# Allegro board mini_trx_layout.brd (continued)
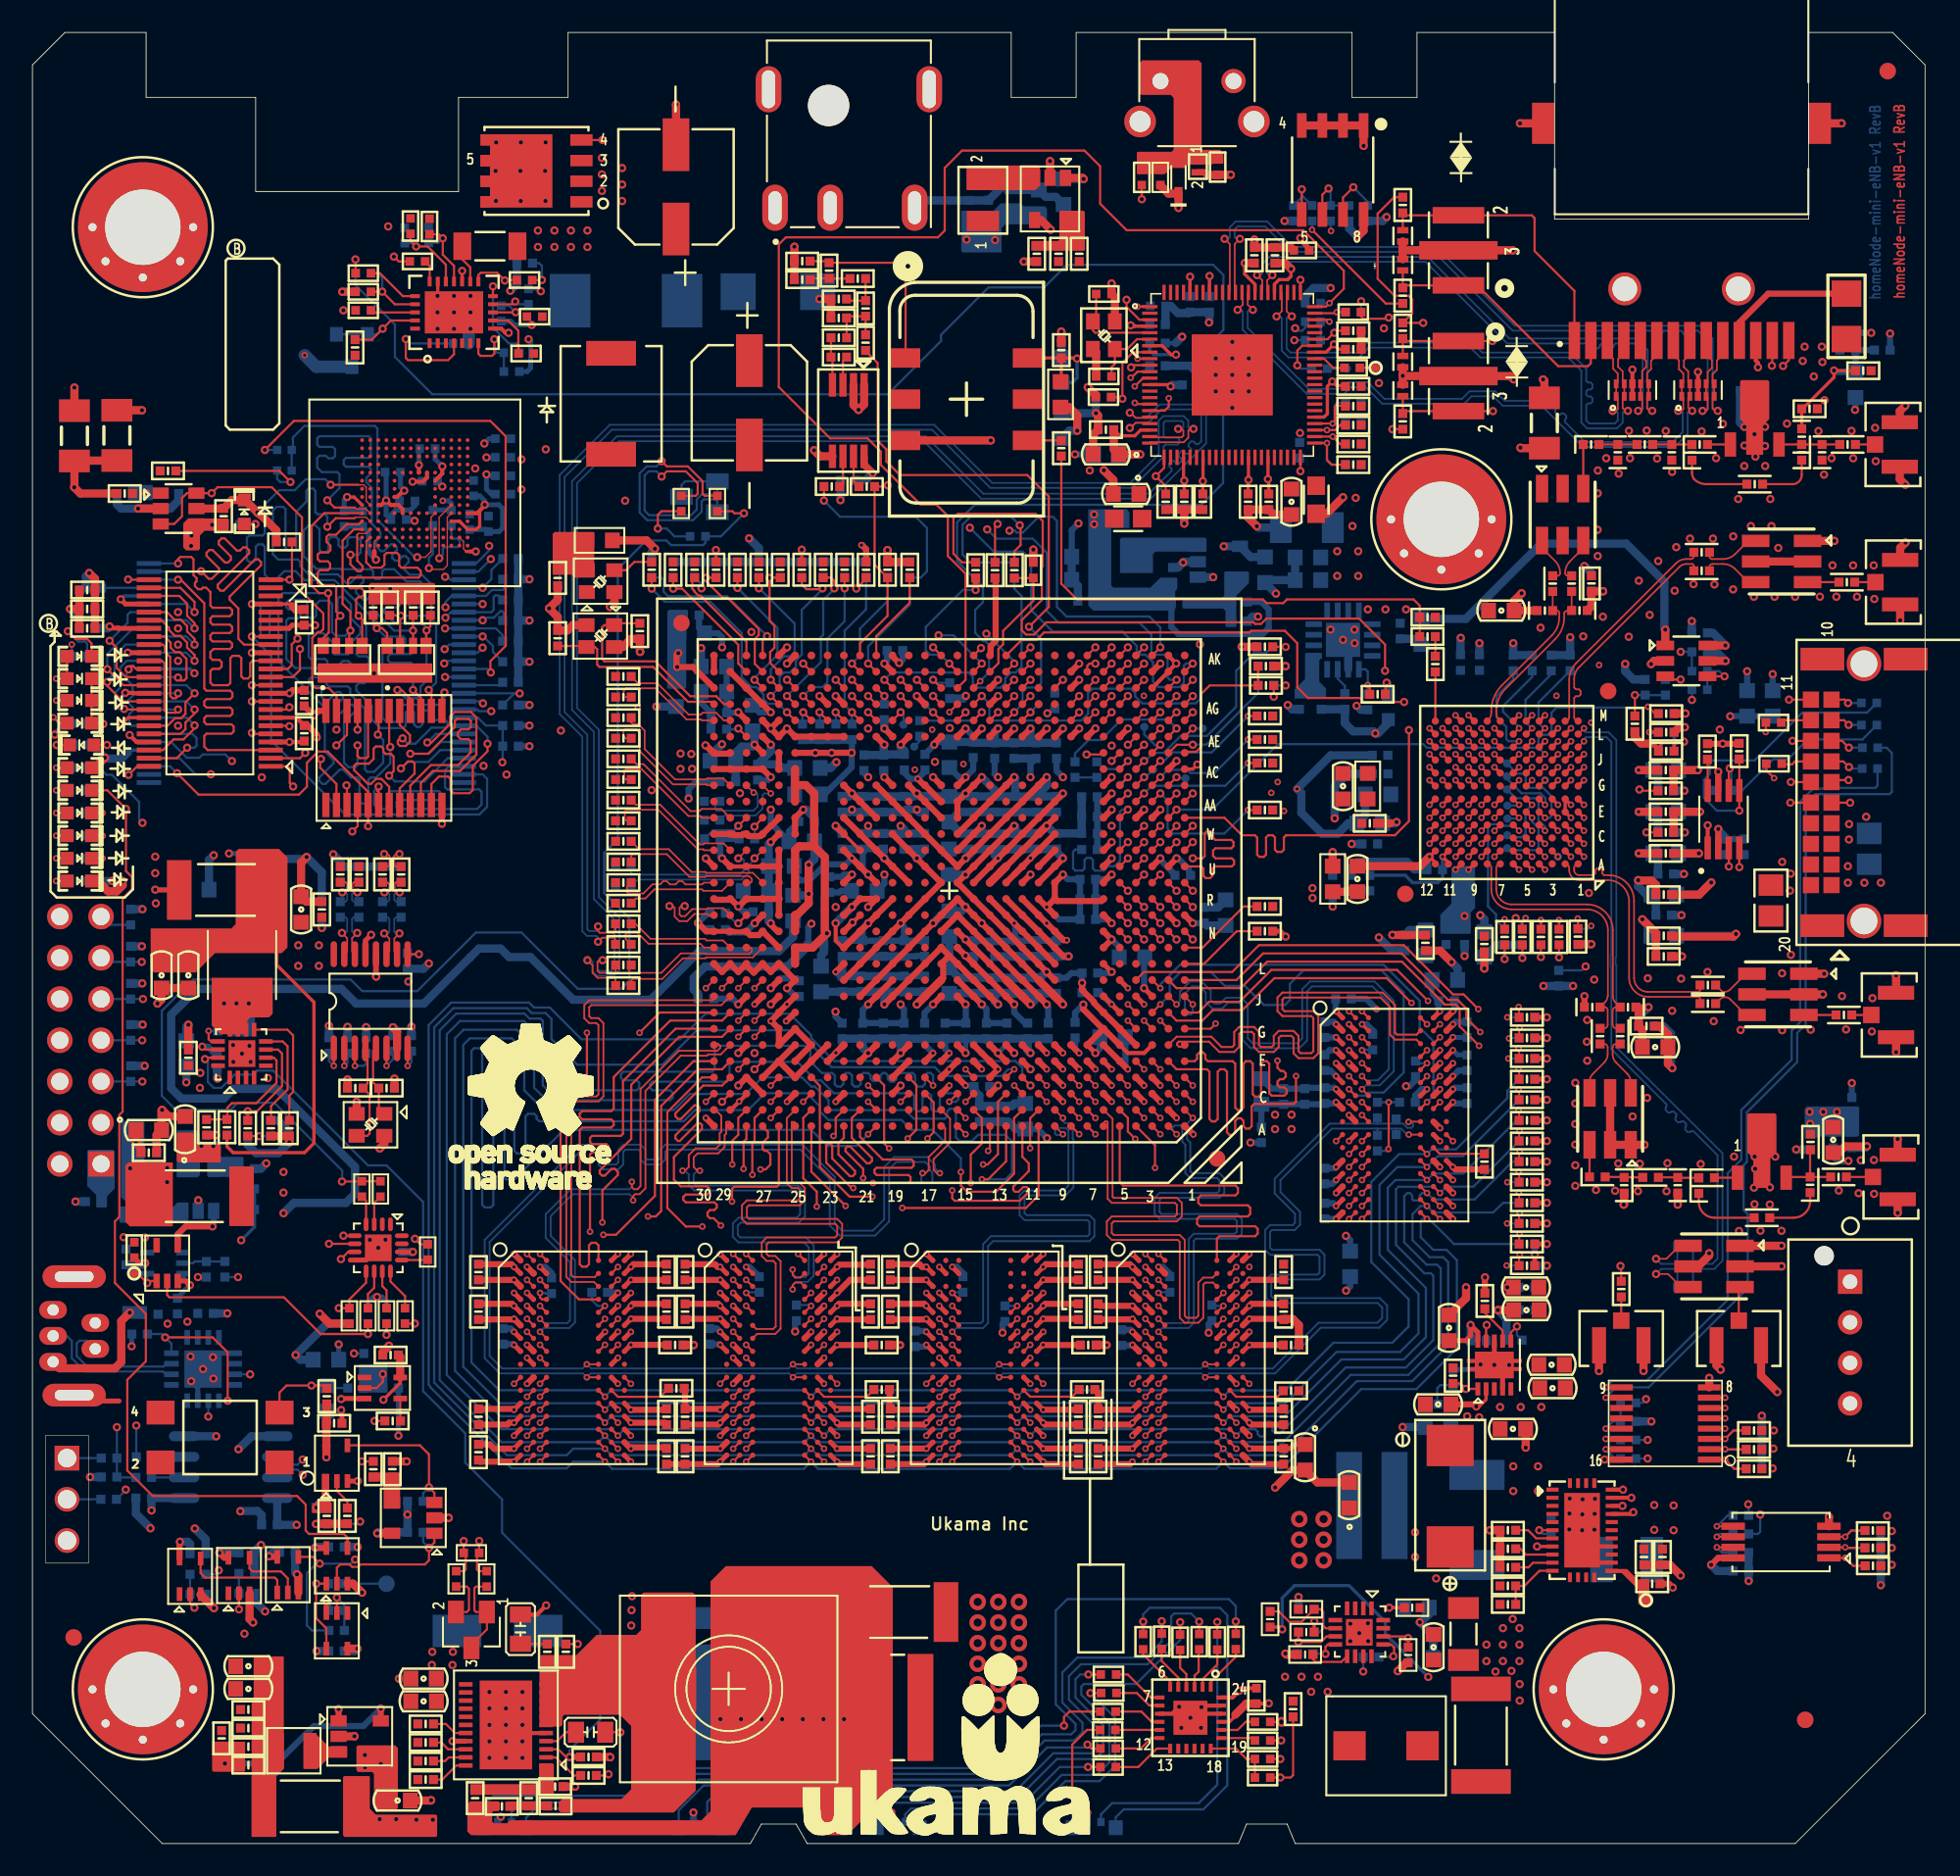
[diagram p0: board, top side]
## Placement (name value [footprint] x y rotation side) (continued)
C401  0.1uF  [EIA-0402]  82.39 62.87 180 top
C402  0.1uF  [EIA-0402]  79.63 50.15 90 bottom
C403  0.1uF  [EIA-0402]  79.63 48.12 90 bottom
C404  0.1uF  [EIA-0402]  79.63 46.09 90 bottom
C405  0.1uF  [EIA-0402]  79.63 41.13 90 bottom
C406  0.1uF  [EIA-0402]  79.63 38.97 270 bottom
C407  0.1uF  [EIA-0402]  83.03 67.06 180 bottom
C408  0.1uF  [EIA-0402]  80.77 52.06 0 bottom
C409  1000pF  [EIA-0402]  96.05 77.65 270 bottom
C410  10uF  [EIA-0603]  81.18 35.72 270 bottom
C411  22uF/10V  [EIA-0603]  78.58 79.25 180 bottom
C412  10uF  [EIA-0603]  85.82 55.5 270 bottom
C413  0.1uF  [EIA-0402]  85.82 55.5 270 top
C414  10uF  [EIA-0603]  89.45 55.41 270 bottom
C415  0.1uF  [EIA-0402]  87.09 55.88 270 bottom
C416  1000pF  [EIA-0402]  96.05 77.65 270 top
C417  22uF/10V  [EIA-0603]  78.58 77.85 180 bottom
C418  0.1uF  [EIA-0402]  87.98 72.77 90 bottom
C419  3.3pF  [EIA-0402]  84.02 44.17 270 bottom
C420  0.1uF  [EIA-0402]  84.26 74.72 270 bottom
C421  10uF  [EIA-0603]  85.57 74.68 270 bottom
C422  33pF  [EIA-0402]  94.83 77.64 270 top
C423  0.1uF  [EIA-0402]  84.71 45.68 0 bottom
C424  0.1uF  [EIA-0402]  89.45 55.43 270 top
C425  33pF  [EIA-0402]  97.82 49.75 90 top
C426  33pF  [EIA-0402]  93.66 77.64 270 top
C427  33pF  [EIA-0402]  96.58 49.75 90 top
C428  0.1uF  [EIA-0402]  87.12 51.93 0 bottom
C429  0.1uF  [EIA-0402]  100.63 63.58 0 top
C430  10uF  [EIA-0603]  100.63 63.58 0 bottom
C431  0.1uF  [EIA-0402]  88.39 50.15 90 bottom
C432  0.1uF  [EIA-0402]  88.39 48.12 270 bottom
C433  0.1uF  [EIA-0402]  88.39 46.09 90 bottom
C434  0.1uF  [EIA-0402]  100.63 66.14 0 top
C435  0.1uF  [EIA-0402]  100.5 58.47 0 top
C436  10nF  [EIA-0402]  80.85 70.37 90 bottom
C437  10uF  [EIA-0603]  63.39 87.35 90 bottom
C438  0.1uF  [EIA-0402]  92.07 34.28 180 bottom
C439  0.1uF  [EIA-0402]  92.07 32.88 180 bottom
C440  10uF  [EIA-0603]  100.5 58.47 0 bottom
C442  100pF  [EIA-0402]  96.03 86.21 180 top
C443  100pF  [EIA-0402]  96.41 41.08 180 top
C444  DNP  [EIA-0402]  97.67 85.73 270 top
C445  10uF  [EIA-0603]  63.41 90.81 90 bottom
C446  10uF  [EIA-0603]  13.3 9.53 180 top
C447  DNP  [EIA-0402]  98.06 40.57 270 top
C448  10uF  [EIA-0603]  100.63 66.14 0 bottom
C449  10uF  [EIA-0603]  92.04 32.87 180 top
C450  10uF  [EIA-0603]  92.02 34.27 180 top
C451  DNP  [EIA-0402]  101 85.73 270 top
C452  DNP  [EIA-0402]  101.36 40.57 270 top
C453  0  [EIA-0402]  102.71 86.21 180 top
C454  0  [EIA-0402]  103.14 41.02 180 top
C455  20pF  [EIA-0402]  13.3 5.97 180 top
C456  1000pF  [EIA-0402]  87.52 28.83 90 top
C457  DNP  [EIA-0402]  110.26 85.73 270 top
C458  100pF  [EIA-0402]  109.49 88.41 180 top
C459  0.1uF  [EIA-0402]  112.79 90.76 180 top
C461  10uF  [EIA-0603]  112.31 89.89 270 bottom
C462  0.1uF  [EIA-0402]  109.54 43.23 90 bottom
C463  100pF  [EIA-0402]  112.08 43.36 90 bottom
C464  10uF  [EIA-0603]  110.94 43.36 270 top
C465  33pF  [EIA-0402]  111.83 86.21 180 top
C466  33pF  [EIA-0402]  111.27 41.08 180 top
C600  20pF  [EIA-0402]  63.22 97.96 90 top
C601  10uF  [EIA-0603]  63.52 101.78 270 bottom
C602  10uF  [EIA-0603]  60.35 101.3 90 bottom
C603  10uF  [EIA-0603]  62 101.11 90 bottom
C604  0.1uF  [EIA-0402]  58.91 100.78 90 bottom
C605  0.1uF  [EIA-0402]  57.72 100.77 90 bottom
C606  1000pF  [EIA-0402]  19.87 92.19 90 top
C607  47uF  [CAPAE680X570]  44.17 88.78 270 top
C608  0.01uF  [C0402]  30.94 94.09 180 top
C609  47uF  [CAPAE680X570]  39.65 102.08 90 top
C610  DNP  [EIA-0402]  30.33 97.38 180 bottom
C611  1uF  [C0402]  26.4 92.44 0 bottom
C612  1uF  [C0402]  20.38 94.48 180 top
C613  1uF  [C0402]  30.41 91.82 0 top
C614  1uF  [CC0402]  75.41 9.1 270 top
C615  20pF  [EIA-0402]  74.36 76.51 180 bottom
C616  0.1uF  [EIA-0402]  70.24 78.15 90 bottom
C617  10uF  [EIA-0603]  64.81 79.3 180 bottom
C618  10uF  [EIA-0603]  64.81 77.88 180 bottom
C619  0.1uF  [EIA-0402]  64.89 76.56 180 bottom
C620  10uF  [EIA-0603]  75.94 78.49 270 bottom
C621  0.1uF  [EIA-0402]  66.14 87.13 180 top
C622  0.1uF  [EIA-0402]  70.96 82.68 270 top
C623  0.1uF  [EIA-0402]  72.51 94.85 270 bottom
C624  0.1uF  [EIA-0402]  76.55 97.87 90 top
C625  0.1uF  [EIA-0402]  74.9 82.68 270 top
C626  1uF  [EIA-0402]  69.31 93.6 0 bottom
C627  10uF  [EIA-0603]  66.14 85.6 180 top
C628  0.1uF  [EIA-0402]  81.38 92.08 0 top
C629  0.1uF  [EIA-0402]  71.32 94.85 270 bottom
C630  0.1uF  [EIA-0402]  71.32 89.88 0 bottom
C631  0.1uF  [EIA-0402]  72.1 82.68 270 top
C632  0.1uF  [EIA-0402]  69.31 92.46 0 bottom
C633  0.1uF  [EIA-0402]  81.38 89.79 0 top
C634  0.1uF  [EIA-0402]  76.17 82.68 270 top
C635  1uF  [EIA-0402]  75.28 97.87 90 top
C636  10uF  [EIA-0603]  77.57 82.68 270 top
C637  0.1uF  [EIA-0402]  69.82 82.68 270 top
C638  0.1uF  [EIA-0402]  81.38 93.22 0 top
C639  0.1uF  [EIA-0402]  69.31 91.06 0 bottom
C640  1uF  [EIA-0402]  78.07 85.86 90 bottom
C641  10uF  [EIA-0603]  67.38 83.16 180 top
C650  27pF  [C0402]  66.01 95.48 0 top
C651  0.1uF  [C0402]  78.18 98.17 0 top
C652  27pF  [C0402]  66.01 90.4 180 top
C653  DNP  [EIA-0402]  102.24 85.72 90 top
C654  DNP  [EIA-0402]  109 85.73 270 top
C655  DNP  [EIA-0402]  102.66 40.54 90 top
C656  DNP  [EIA-0402]  109.52 40.59 270 top
C657  10uF  [C0805]  113.16 61.3 90 bottom
C658  10uF  [C0805]  107.11 58.11 270 top
C659  10uF  [EIA-0603]  105.64 70.26 90 bottom
D1  PESD3V3X1BL,315  [DFN98X58X50-2N_NXP]  84.42 97.29 90 top
D2  PESD3V3X1BL,315  [DFN98X58X50-2N_NXP]  84.42 99.06 270 top
D3  PESD3V3X1BL,315  [DFN98X58X50-2N_NXP]  84.42 89.54 90 top
D4  PESD3V3X1BL,315  [DFN98X58X50-2N_NXP]  84.42 91.32 270 top
D5  PESD3V3X1BL,315  [SOD882_2P_0_62X1_02_0_50MM]  71.8 103.33 270 top
D6  RB751S40T5G  [SOD523F_2P_1_30X0_90_0_70MM]  70.61 102.67 90 top
D27  B530C-13-F  [B530C_13_F]  36.57 95.07 180 bottom
D28  SMBJ16CA  [DIOM5436X261N_LF_BI]  45.92 95.62 0 bottom
FB18  33E  [INDC1608X95M]  66.14 85.6 180 bottom
FB19  33E  [INDC1608X95M]  79.09 82.81 270 top
FB20  33E  [INDC1608X95M]  67.51 81.64 180 top
H1  HOLE-3.5MM  [HOLE-1]  6.8 99.6 0 top
H2  HOLE-3.5MM  [HOLE-1]  86.8 81.6 0 top
H3  HOLE-3.5MM  [HOLE-1]  96.8 9.5 0 top
H4  HOLE-3.5MM  [HOLE-1]  6.8 9.5 0 top
J1  HEADER 4/DNP  [MOLEX_2078430004]  111.98 30.87 90 top
J5  HEADER 7X2  [HDR7X2]  4.23 41.88 90 top
J7  MINI-USB TYPE A/B CON  [MOLEX_5000751517]  1.27 29.68 90 bottom
J8  HEADER 3X1-2.54mm/DNP  [SIP-3P]  2.13 21.21 270 top
J9  U.FL/DNP  [CON-HRS-UFL]  113.29 51.06 270 top
J10  U.FL/DNP  [CON-HRS-UFL]  113.54 77.73 270 top
J11  U.FL  [CON-HRS-UFL]  105.12 32.22 180 top
J12  7498111120AR  [WURTH_7498111120R]  101.6 94.9 0 top
J18  U.FL  [CON-HRS-UFL]  97.89 32.22 180 top
J19  U.FL  [CON-HRS-UFL]  113.52 86.21 270 top
J20  U.FL  [CON-HRS-UFL]  113.39 41.08 270 top
J22  PJ-051AH  [CUI_PJ-051AH]  50.3 105.35 90 top
J23  M55-7102042R  [CONN_M55-7102042R_20N]  110.2 64.77 90 top
L3  1.5uH/5A  [D53LC]  83.39 6.02 0 top
L7  2.2uH  [IND_5P55_7P4X6P8_5P00]  89 19.94 270 bottom
L8  0.44uH  [L-1260X1260X600-2N]  42.89 9.53 90 top
L9  60OHM@100MHZ  [EIA-L0603]  34.94 80.3 0 top
L10  1.5uH/3A  [IND_VLCF4020]  12.91 54.14 90 top
L11  60OHM@100MHZ  [EIA-L0603]  80.11 59.44 270 top
L12  60OHM@100MHZ  [EIA-L0603]  82.26 65.15 90 top
L13  60OHM@100MHZ  [EIA-L0603]  63.34 89.3 270 top
L14  MPZ1005S121C  [EIA-0402]  100.63 59.74 180 bottom
L15  MPZ1005S121C  [EIA-0402]  100.5 54.66 180 top
L20  60OHM@100MHZ  [EIA-L0603]  39.65 70.85 270 bottom
L21  60OHM@100MHZ  [EIA-L0603]  41.98 72.53 180 bottom
L22  60OHM@100MHZ  [EIA-L0603]  42.54 66.72 180 bottom
L23  60OHM@100MHZ  [EIA-L0603]  46.15 60.23 0 bottom
L24  60OHM@100MHZ  [EIA-L0603]  46.86 57.64 270 bottom
L25  60OHM@100MHZ  [EIA-L0603]  47.75 64.65 0 bottom
L26  60OHM@100MHZ  [EIA-L0603]  48.59 53.27 270 bottom
L27  4.7uH/1.4A  [IND-2520]  6.62 39.86 270 bottom
L28  MPZ1005S121C  [EIA-0402]  83.03 65.92 0 bottom
L29  MPZ1005S121C  [EIA-0402]  89.15 72.77 270 bottom
L30  MPZ1005S121C  [EIA-0402]  88.23 55.88 90 bottom
L31  MPZ1005S121C  [EIA-0402]  82.39 61.6 0 bottom
L32  MPZ1005S121C  [EIA-0402]  84.55 55.5 90 bottom
L33  MPZ1005S121C  [EIA-0402]  80.11 59.19 270 bottom
L34  100nH  [EIA-0402]  95.31 75.98 0 top
L35  100nH  [EIA-0402]  98.3 51.54 0 top
L36  100nH  [EIA-0402]  93.18 75.98 180 top
L37  100nH  [EIA-0402]  96.1 51.54 180 top
L38  MPZ1005S121C  [EIA-0402]  100.63 62.31 180 bottom
L39  MPZ1005S121C  [EIA-0402]  100.5 57.2 180 bottom
L40  4.7uH/1.4A  [IND-2520]  16.1 5.72 0 top
L41  MPZ1005S121C  [EIA-0402]  100.63 64.87 180 bottom
L42  0  [EIA-0402]  99.33 86.21 0 top
L43  0  [EIA-0402]  99.69 41.05 0 top
L44  MPZ1005S121C/DNP  [EIA-0402]  110.94 43.35 270 bottom
L45  3.3nH  [EIA-0402]  109 86.69 90 top
L46  MPZ1005S121C/DNP  [EIA-0402]  111.84 92.02 180 bottom
L47  3.3nH  [EIA-0402]  109.54 43.23 90 top
L48  10uH/0.7A  [INDP290X270X170]  58.56 101.26 90 top
L50  6.8uH/1A  [IND270X220X120]  68.01 77.7 90 bottom
L51  60OHM@100MHZ  [EIA-L0603]  107.21 70.26 270 bottom
L52  MPZ1005S121C  [EIA-0402]  113.96 92.03 0 bottom
L53  MPZ1005S121C  [EIA-0402]  112.09 45.49 90 bottom
LED2  Blue  [LED-0603-12]  2.89 59.31 90 top
LED3  Blue/DNP  [LED-0603-12]  2.89 66.3 90 top
LED4  Red  [LED-0603-12]  2.89 64.9 90 top
LED5  GREEN/DNP  [LED-0603-12]  3.04 67.69 270 top
LED6  GREEN/DNP  [LED-0603-12]  13.05 82.05 180 top
LED7  Blue/DNP  [LED-0603-12]  2.89 63.5 90 top
LED8  Blue/DNP  [LED-0603-12]  2.89 62.11 90 top
LED9  Blue/DNP  [LED-0603-12]  2.89 60.71 90 top
LED10  GREEN/DNP  [LED-0603-12]  83.53 70.01 180 bottom
LED11  XZCCBDMEDGK161W  [LED_XZCCBDMEDGK-4N]  29.08 1.15 0 bottom
LED12  XZCCBDMEDGK161W  [LED_XZCCBDMEDGK-4N]  65.41 1.15 0 bottom
LED13  XZCCBDMEDGK161W  [LED_XZCCBDMEDGK-4N]  41.15 1.15 0 bottom
LED14  XZCCBDMEDGK161W  [LED_XZCCBDMEDGK-4N]  53.34 1.15 0 bottom
LED19  GREEN  [LED-0603-12]  2.89 73.16 90 top
LED20  GREEN  [LED-0603-12]  2.89 71.78 90 top
LED21  GREEN  [LED-0603-12]  2.89 69.04 90 top
LED22  GREEN  [LED-0603-12]  2.89 70.44 90 top
NOREF  -  []  108.6 0 90 top
NOREF#2  -  [unnamed#2]  114.3 109.22 0 top
NOREF#3  -  [unnamed#2]  2.54 12.7 0 top
NOREF#4  -  []  0 109.6 0 top
NOREF#5  -  [unnamed#2]  109.22 7.62 0 top
NOREF#6  -  [unnamed#2]  109.22 7.62 180 bottom
NOREF#7  -  [unnamed#2]  114.3 109.22 180 bottom
NOREF#8  -  [unnamed#2]  2.54 12.7 180 bottom
NR1  100K  [CA_3_20X1_60_0_50MM]  19.11 72.95 90 top
NR2  100K  [CA_3_20X1_60_0_50MM]  23.05 72.95 90 top
Q1  CSD17556Q5B  [VSON127P610X510X105-8N]  31.05 103.07 180 top
Q31  MMBT3904  [SOT23]  27.04 13.16 180 top
Q32  MMBT3904  [SOT23]  41.09 82.99 270 bottom
Q34  -  [SOT23_95P300X100X110]  19.68 92 0 bottom
R1  10K  [EIA-0402]  22.17 23.07 270 top
R2N1  0  [SMR0402A]  15.08 85.87 270 bottom
R2N2  0  [SMR0402A]  15.08 84.6 270 bottom
R4  0 OHM  [R0402]  102.71 71.1 180 bottom
R6  0Ohm  [R0402]  102.71 72.24 180 bottom
R8  0/DNP  [EIA-0402]  21 23.07 90 top
R10  0  [EIA-0402]  20.42 29.72 270 bottom
R18  10K  [R0402]  69.49 102.67 90 top
R22  0 OHM  [R0402]  68.34 102.67 270 top
R61  68K/1%  [EIA-0402]  76.25 13.82 270 top
R62  15K/1%  [EIA-0402]  78.48 14.44 0 top
R63  180K/1%  [EIA-0402]  78.42 11.7 0 bottom
R64  10K  [EIA-0402]  84.75 11.62 90 top
R65  0 E  [RCL1225]  82.52 20.83 180 bottom
R67  0 E  [R2512]  89.24 6.68 90 top
R68  3.01K/1%  [EIA-0402]  32.23 2.31 180 top
R69  8.45K/1%  [EIA-0402]  27.27 2.8 270 top
R70  10K/1%  [EIA-0402]  32.2 3.51 180 top
R71  0 E  [R2512]  53.43 14.27 0 top
R72  0 E  [RCL1225]  53.31 8.39 0 top
R73  187K/1%  [EIA-0402]  24.23 3.94 180 top
R74  24.9K/1%  [EIA-0402]  90.9 14.74 0 top
R75  100K/1%  [EIA-0402]  90.9 15.88 180 top
R76  10K  [EIA-0402]  99.79 16.01 180 top
R78  100K  [EIA-0402]  24.23 5.08 180 top
R87  200K  [EIA-0402]  24.23 6.23 180 top
R95  1K  [EIA-0402]  2.76 59.31 0 bottom
R97  1K  [EIA-0402]  2.89 66.3 0 bottom
R100  0E  [R0402]  113.2 66.24 180 bottom
R101  1K  [EIA-0402]  2.76 64.9 0 bottom
R103  330  [EIA-0402]  3.04 67.69 180 bottom
R104  0E  [R0402]  107.3 66.54 180 top
R105  0E  [R0402]  113.15 68.92 180 bottom
R106  1K  [EIA-0402]  12.29 81.28 0 bottom
R107  330  [EIA-0402]  2.76 63.5 0 bottom
R108  0  [EIA-0402]  22.19 26.04 0 top
R109  330  [EIA-0402]  2.76 62.11 0 bottom
R110  10K  [EIA-0402]  23.59 19.18 180 bottom
R111  330  [EIA-0402]  2.76 60.71 0 bottom
R112  0 E  [R2512]  11.9 58.76 180 top
R113  10K  [EIA-0402]  23.59 21.09 180 bottom
R114  330  [EIA-0402]  82.87 70.82 180 top
R116  10K  [EIA-0402]  23.35 49.3 270 bottom
R117  475/1%  [EIA-0402]  23.1 54.38 270 bottom
R118  DNP  [EIA-0402]  36.41 65.57 0 top
R119  DNP  [EIA-0402]  36.41 66.84 0 top
R120  0  [EIA-0402]  36.41 70.65 0 top
R121  0  [EIA-0402]  36.41 71.92 0 top
R122  DNP  [EIA-0402]  22.21 49.3 270 bottom
R124  33  [EIA-0402]  38.15 78.49 270 top
R125  10K/DNP  [EIA-0402]  39.47 78.49 270 top
R126  240/1%  [EIA-0402]  39.67 28.05 180 top
R127  10K  [EIA-0402]  40.79 78.49 270 top
R128  10K  [EIA-0402]  20.56 49.18 270 bottom
R129  10K  [EIA-0402]  42.11 78.49 270 top
R130  10K  [EIA-0402]  19.41 49.18 270 bottom
R131  10K/DNP  [EIA-0402]  43.43 78.49 270 top
R132  DNP  [EIA-0402]  18.27 49.18 270 bottom
R133  10K/DNP  [EIA-0402]  44.75 78.49 270 top
R134  10K  [EIA-0402]  46.07 78.49 270 top
R135  6.34K/1%  [EIA-0402]  11.98 44.14 270 top
R136  10K/1%  [EIA-0402]  10.73 44.14 90 top
R137  7.68K/1%  [EIA-0402]  13.26 44.08 270 top
R138  180K/1%  [EIA-0402]  14.68 44.08 90 top
R139  10K  [EIA-0402]  47.4 78.49 270 top
R140  10K/DNP  [EIA-0402]  113.39 19.29 180 top
R141  10K  [EIA-0402]  18.13 20.19 270 top
R142  10K  [EIA-0402]  48.72 78.49 270 top
R145  10K  [EIA-0402]  113.39 18.22 180 top
R146  10K  [EIA-0402]  19.4 20.19 270 top
R147  10K  [EIA-0402]  50.04 78.49 270 top
R148  10K/DNP  [EIA-0402]  113.39 17.11 180 top
R149  0 E  [R2512]  10.03 39.89 0 top
R150  1K/DNP  [EIA-0402]  51.36 78.49 90 top
R151  240/1%  [EIA-0402]  52.32 27.98 180 top
R152  1K  [EIA-0402]  52.68 78.49 270 top
R153  1K  [EIA-0402]  54.05 78.49 270 top
R159  10K  [EIA-0402]  11.78 81.79 270 top
R160  0  [EIA-0402]  100.6 71.25 270 bottom
R161  10K  [EIA-0402]  9.49 83.19 180 bottom
R162  10K  [EIA-0402]  15.51 80.21 0 top
R163  240/1%  [EIA-0402]  64.97 27.98 180 top
R164  10K  [EIA-0402]  5.68 83.19 0 top
R165  10K/DNP  [EIA-0402]  5.68 83.19 0 bottom
R166  0  [EIA-0402]  8.35 84.59 180 top
R167  10K  [R0402]  21.81 32.52 270 bottom
R168  10K  [EIA-0402]  20.99 76.17 90 top
R169  0E  [R0402]  24.35 36.45 90 top
R170  10K  [EIA-0402]  22.01 76.17 90 top
R171  0E  [R0402]  22.96 32.52 270 top
R172  0E  [R0402]  21.44 40.33 270 top
R173  0E  [R0402]  21.81 32.52 270 top
R174  10K  [EIA-0402]  23.46 76.17 90 top
R175  33  [EIA-0402]  4.72 23.75 0 bottom
R176  0E  [R0402]  20.67 32.52 90 top
R177  0E  [R0402]  20.3 40.33 270 top
R178  10K  [EIA-0402]  24.52 76.16 90 top
R179  4.7K  [EIA-0402]  4.72 22.58 0 bottom
R180  0  [EIA-0402]  6.85 22.56 0 bottom
R181  10K  [R0402]  19.53 32.52 270 top
R182  10K  [R0402]  20.67 32.52 270 bottom
R183  33  [EIA-0402]  4.69 21.21 0 bottom
R184  0  [EIA-0402]  6.88 23.83 0 bottom
R188  4.7K  [EIA-0402]  99.36 71.25 270 bottom
R189  240/1%  [EIA-0402]  75.93 56.22 180 top
R190  240/1%  [EIA-0402]  75.93 57.74 180 top
R191  4.7K  [EIA-0402]  94.03 53.32 90 bottom
R192  4.7K  [EIA-0402]  100.65 69.62 180 top
R193  4.7K  [EIA-0402]  92.4 72.75 270 bottom
R194  1K  [EIA-0402]  75.93 63.69 180 top
R195  4.7K  [EIA-0402]  91.23 72.75 270 bottom
R196  1K  [EIA-0402]  75.93 66.58 180 top
R197  1K  [EIA-0402]  75.93 68.03 180 top
R198  1K  [EIA-0402]  75.93 69.48 180 top
R199  0  [EIA-0402]  75.93 73.74 0 top
R200  240/1%  [EIA-0402]  77.54 27.9 180 top
R201  0  [EIA-0402]  85.95 74.38 0 top
R203  330  [EIA-0402]  85.95 75.57 0 top
R204  4.7K  [EIA-0402]  106.06 23.09 0 top
R205  4.7K  [EIA-0402]  106.06 23.09 180 bottom
R206  4.7K  [EIA-0402]  106.06 24.29 0 top
R207  4.7K  [EIA-0402]  106.06 24.29 180 bottom
R208  4.7K  [EIA-0402]  106.06 25.45 0 top
R209  4.7K  [EIA-0402]  106.06 25.45 180 bottom
R210  4.7K  [EIA-0402]  98.32 26.01 180 bottom
R211  300  [EIA-0402]  63.39 85.98 270 top
R214  240/1%  [EIA-0402]  89.46 42.02 90 top
R216  36/1%  [EIA-0402]  92.07 35.61 0 top
R217  36/1%  [EIA-0402]  92.07 36.94 0 top
R218  36/1%  [EIA-0402]  92.07 38.21 0 top
R219  36/1%  [EIA-0402]  92.07 39.48 0 top
R220  36/1%  [EIA-0402]  92.07 40.75 0 top
R221  36/1%  [EIA-0402]  92.07 42.02 0 top
R222  36/1%  [EIA-0402]  92.07 43.29 0 top
R223  36/1%  [EIA-0402]  92.07 44.56 0 top
R224  36/1%  [EIA-0402]  92.07 45.83 0 top
R225  36/1%  [EIA-0402]  92.07 47.1 0 top
R226  36/1%  [EIA-0402]  92.07 48.37 0 top
R227  36/1%  [EIA-0402]  92.07 49.64 0 top
R228  36/1%  [EIA-0402]  92.07 50.91 0 top
R231  0 E  [R2512]  17.11 2.29 0 top
R232  10K/1%  [EIA-0402]  49.08 96.93 90 top
R233  0  [EIA-0402]  89.48 33.43 90 top
R234  0  [EIA-0402]  93.57 72.75 90 bottom
R235  14.3K/1%  [EIA-0402]  94.74 72.75 270 bottom
R236  1K  [EIA-0402]  89.08 30.98 0 bottom
R237  1/1%  [EIA-0402]  100.65 68.48 0 bottom
R238  10K/1%  [EIA-0402]  50.85 96.43 180 top
R239  0  [EIA-0402]  51.33 94.59 90 top
R240  49.9/1%  [EIA-0402]  51.33 92.48 90 top
R241  0  [EIA-0402]  49.68 91.6 180 top
R242  0/DNP  [EIA-0402]  49.68 92.79 0 top
R286  14K/1%  [EIA-0402]  78.48 13.03 0 bottom
R288  0  [EIA-0402]  34.26 4.19 180 top
R289  2.05/1%  [EIA-0805]  34.39 6.86 0 top
R291  2.05/1%  [EIA-0805]  30.07 13.21 270 top
R292  10K  [EIA-0402]  34.26 5.34 180 top
R293  15K/1%  [EIA-0402]  11.86 35.39 90 bottom
R294  17.4K/1%  [EIA-0402]  90.9 18.16 0 top
R300  0  [EIA-0402]  19.91 28.07 0 bottom
R303  10K  [EIA-0402]  18.13 27.56 90 top
R313  100/1%  [EIA-0402]  29 31.25 90 bottom
R317  22  [EIA-0402]  31.98 34.38 270 bottom
R318  10K  [EIA-0402]  6.05 57.09 270 bottom
R324  22  [EIA-0402]  34.95 33.97 180 bottom
R325  1K  [EIA-0402]  6.05 54.81 270 bottom
R327  49.9/1%  [EIA-0402]  22.71 59.72 270 bottom
R328  33  [EIA-0402]  22.71 57.56 90 bottom
R329  1K  [EIA-0402]  6.05 52.52 270 bottom
R330  10K  [EIA-0402]  38.15 78.49 90 bottom
R331  33  [EIA-0402]  21.57 57.56 90 bottom
R332  49.9/1%  [EIA-0402]  21.57 59.72 270 bottom
R333  1K  [EIA-0402]  39.47 78.49 90 bottom
R334  49.9/1%  [EIA-0402]  18.97 59.72 270 bottom
R335  1K  [EIA-0402]  6.05 49.98 270 bottom
R336  33  [EIA-0402]  18.97 57.56 90 bottom
R337  1K  [EIA-0402]  40.79 78.49 90 bottom
R338  33  [EIA-0402]  20.11 57.56 90 bottom
R339  2.37K/1%  [EIA-0402]  41.89 61.91 180 bottom
R340  10K  [EIA-0402]  11.38 48.29 90 bottom
R341  1K/DNP  [EIA-0402]  42.11 78.49 90 bottom
R342  49.9/1%  [EIA-0402]  20.11 59.72 270 bottom
R343  2.37K/1%  [EIA-0402]  42.21 57.34 0 bottom
R344  49.9/1%  [EIA-0402]  42.21 56.32 0 bottom
R345  37.4/1%  [EIA-0402]  42.29 68.67 0 bottom
R346  1K  [EIA-0402]  6.05 47.44 270 bottom
R353  1K  [EIA-0402]  43.43 78.49 90 bottom
R354  49.9/1%  [EIA-0402]  44.01 61.91 0 bottom
R355  1K  [EIA-0402]  44.75 78.49 90 bottom
R356  22  [EIA-0402]  44.78 34.45 270 bottom
R357  0ohm  [R0402]  98.32 23.73 180 bottom
R358  0ohm  [R0402]  98.32 24.87 180 bottom
R359  0ohm  [R0402]  98.32 27.16 180 bottom
R365  1K/DNP  [EIA-0402]  46.07 78.49 90 bottom
R366  22  [EIA-0402]  47.06 32.7 90 bottom
R368  1K/DNP  [EIA-0402]  47.4 78.49 90 bottom
R369  10K/DNP  [EIA-0402]  47.44 68.5 90 bottom
R370  0  [EIA-0402]  113.39 19.29 180 bottom
R372  0  [EIA-0402]  18.13 20.19 270 bottom
R373  10K/DNP  [EIA-0402]  48.51 68.5 90 bottom
R374  1K/DNP  [EIA-0402]  48.72 78.49 90 bottom
R375  10K/1%  [EIA-0402]  13.2 41.58 180 bottom
R378  0  [EIA-0402]  18.72 16.01 180 bottom
R379  0/DNP  [EIA-0402]  113.39 18.22 180 bottom
R380  4.7K  [EIA-0402]  18.73 13.13 0 bottom
R381  10K  [EIA-0402]  49.5 68.5 90 bottom
R382  10K  [EIA-0402]  105.25 17.94 0 bottom
R383  1K/DNP  [EIA-0402]  50.04 78.49 90 bottom
R384  0  [EIA-0402]  113.39 17.11 180 bottom
R386  10K/DNP  [EIA-0402]  50.49 68.5 90 bottom
R387  1K  [EIA-0402]  3.74 39.56 0 bottom
R388  15K/1%  [EIA-0402]  13.2 39.07 180 bottom
R389  1K  [EIA-0402]  51.36 78.49 90 bottom
R390  4.7K  [EIA-0402]  3.78 77.37 180 bottom
R391  10K  [EIA-0402]  52.47 69.73 90 bottom
R392  1K  [EIA-0402]  52.68 78.49 270 bottom
R393  1K  [EIA-0402]  54.05 78.49 270 bottom
R395  0  [EIA-0402]  54.66 68.71 270 bottom
R397  DNP  [EIA-0402]  56.51 71.04 90 bottom
R401  0  [EIA-0402]  58.11 78.46 90 top
R405  22  [EIA-0402]  57.32 34.45 270 bottom
R406  1K/1%  [EIA-0402]  58.34 44.97 270 bottom
R407  1K/1%  [EIA-0402]  58.49 46.64 180 bottom
R408  22  [EIA-0402]  59.92 32.65 90 bottom
R409  0  [EIA-0402]  7.26 32.62 180 bottom
R411  DNP  [EIA-0402]  10.66 32.67 0 bottom
R414  0  [EIA-0402]  64.23 66.18 270 bottom
R415  1K  [EIA-0402]  65.12 61.25 180 bottom
R416  DNP  [EIA-0402]  65.58 66.18 270 bottom
R417  22  [EIA-0402]  62.99 70.41 90 bottom
R418  22  [EIA-0402]  70.08 34.45 270 bottom
R419  4.7K  [R0402]  24.67 81.7 270 bottom
R420  4.7K  [R0402]  25.81 81.69 270 bottom
R421  22  [EIA-0402]  72.67 32.7 90 bottom
R422  0E  [R0402]  27.98 16.31 270 top
R423  0E  [R0402]  26.1 16.31 270 top
R424  100/1%  [EIA-0402]  75.71 43.67 90 bottom
R425  DNP  [EIA-0402]  29.45 74.1 0 bottom
R426  10K  [EIA-0402]  29.45 79.18 0 bottom
R427  10K  [EIA-0402]  29.45 77.91 0 bottom
R428  DNP  [EIA-0402]  29.45 76.64 0 bottom
R429  DNP  [EIA-0402]  29.45 75.37 0 bottom
R430  DNP  [EIA-0402]  29.45 72.83 0 bottom
R431  4.7K  [EIA-0402]  29.45 71.56 0 bottom
R432  4.7K  [EIA-0402]  29.45 70.16 0 bottom
R433  10K  [EIA-0402]  29.45 68.89 0 bottom
R434  10K/DNP  [EIA-0402]  29.45 67.62 0 bottom
R435  10K  [EIA-0402]  13.2 16.64 180 bottom
R436  4.7K  [EIA-0402]  10.19 16.59 180 bottom
R437  10K  [EIA-0402]  13.21 15.42 180 bottom
R438  1/1%  [EIA-0402]  82.39 59.19 270 bottom
R439  0  [EIA-0402]  97.89 34.17 90 top
R440  22  [EIA-0402]  82.57 49.39 270 bottom
R441  36/1%  [EIA-0402]  82.86 45.2 90 bottom
R442  36/1%  [EIA-0402]  82.86 43.17 270 bottom
R443  22  [EIA-0402]  85.21 47.74 90 bottom
R444  0  [EIA-0402]  95.22 55.88 270 top
R445  0  [EIA-0402]  95.23 55.89 270 bottom
R448  43K/1%  [EIA-0402]  78.05 70.38 270 bottom
R449  27K/1%  [EIA-0402]  79.4 70.37 90 bottom
R450  10K  [EIA-0402]  82.27 70.35 90 bottom
R451  0E  [R0402]  39.97 82.57 90 top
R452  36/1%  [EIA-0402]  92.07 50.91 0 bottom
R453  36/1%  [EIA-0402]  92.07 49.64 0 bottom
R454  36/1%  [EIA-0402]  92.07 48.37 0 bottom
R455  36/1%  [EIA-0402]  92.07 47.1 0 bottom
R456  36/1%  [EIA-0402]  92.07 45.83 0 bottom
R457  36/1%  [EIA-0402]  92.07 44.56 0 bottom
R458  36/1%  [EIA-0402]  92.07 43.29 0 bottom
R459  36/1%  [EIA-0402]  92.07 42.02 0 bottom
R460  36/1%  [EIA-0402]  92.07 40.75 0 bottom
R461  36/1%  [EIA-0402]  92.07 39.48 0 bottom
R462  36/1%  [EIA-0402]  92.07 38.21 0 bottom
R463  36/1%  [EIA-0402]  92.07 36.94 0 bottom
R464  4.7K  [EIA-0402]  92.07 35.61 0 bottom
R465  0  [EIA-0402]  91.79 55.86 270 bottom
R466  0  [EIA-0402]  90.7 55.86 270 bottom
R467  0E  [R0402]  42.2 82.57 90 top
R468  0  [EIA-0402]  100.63 62.31 0 top
R469  0  [EIA-0402]  100.63 64.87 180 top
R470  0  [EIA-0402]  94.05 55.86 270 top
R471  0  [EIA-0402]  91.79 55.86 270 top
R472  0  [EIA-0402]  92.93 55.86 270 top
R473  0  [EIA-0402]  90.7 55.86 270 top
R474  10K  [EIA-0402]  87.07 27.08 180 bottom
R475  10K  [EIA-0402]  87.52 28.73 90 bottom
R476  10K/1%  [EIA-0402]  11.65 6.48 270 top
R477  20K/1%  [EIA-0402]  13.3 4.83 180 top
R478  DNP  [EIA-0402]  106.11 83.77 0 top
R479  DNP  [EIA-0402]  106.55 38.56 0 top
R545  45K/1%  [EIA-0402]  64.49 97.96 90 top
R546  30K/1%  [EIA-0402]  61.87 97.96 90 top
R547  0.004  [R1206]  28.18 98.43 0 top
R548  10K  [R0402]  29.52 91.86 0 bottom
R549  43.2K  [R0402]  24.41 99.11 90 bottom
R550  43.2K  [R0402]  22.94 99.09 90 bottom
R551  1.5K  [R0402]  29.52 90.7 180 bottom
R552  10K  [R0402]  30.56 95.33 90 bottom
R553  6.49K  [R0402]  24.46 99.64 270 top
R554  3.65K  [R0402]  23.29 99.67 270 top
R555  1K  [R0402]  30.32 96.35 180 top
R556  10K  [R0402]  20.38 95.62 0 top
R557  0E  [R0402]  20.39 96.77 0 bottom
R558  0E  [R0402]  20.38 96.76 0 top
R559  0E  [R0402]  23.72 97.49 0 top
R560  47K  [R0402]  28.88 94.28 90 bottom
R561  0  [EIA-0402]  105.25 20.22 180 bottom
R562  0  [EIA-0402]  105.25 19.08 180 bottom
R563  10K  [R0402]  19.53 32.52 270 bottom
R564  1K  [EIA-0402]  75.99 72.55 180 bottom
R565  0  [EIA-0402]  75.99 71.36 0 bottom
R566  0  [EIA-0402]  75.99 71.36 0 top
R567  1K  [EIA-0402]  75.99 72.55 180 top
R568  1K  [R0402]  66.26 8.13 0 top
R569  5.1K  [R0402]  66.24 7 0 top
R570  1K  [R0402]  66.27 5.86 0 top
R571  1K  [R0402]  66.27 4.72 0 top
R572  1K  [R0402]  69.57 12.46 270 top
R573  1K  [R0402]  68.43 12.44 270 top
R574  1K  [R0402]  66.29 10.42 0 top
R575  1K  [R0402]  66.31 9.27 0 top
R576  10K  [EIA-0402]  77.67 8.28 90 top
R577  2K  [R0402]  71.88 12.44 270 top
R578  2K  [R0402]  70.71 12.4 270 top
R579  0ohm  [R0402]  75.79 6.35 180 top
R580  2K  [R0402]  74.14 12.45 270 top
R581  2K  [R0402]  72.99 12.42 270 top
R582  0ohm  [R0402]  75.79 7.5 180 top
R583  0ohm  [R0402]  75.79 5.21 180 top
R584  0ohm  [R0402]  75.79 4.07 180 top
R585  36K/1%  [EIA-0402]  70.65 76.45 180 bottom
R586  39.2K/1%  [EIA-0402]  74.36 75.31 0 bottom
R587  150E  [EIA-0402]  2.89 69.02 180 bottom
R588  150E  [EIA-0402]  2.89 73.16 180 bottom
R589  4.7K/DNP  [EIA-0402]  81.38 88.78 180 bottom
R590  4.7K  [EIA-0402]  81.38 88.57 0 top
R591  4.7K/DNP  [EIA-0402]  81.38 87.51 180 bottom
R592  0E  [R0402]  78.89 92.64 0 bottom
R593  10K  [R0402]  78.89 94.92 0 bottom
R594  4.7K  [EIA-0402]  81.38 87.4 0 top
R595  0E  [R0402]  81.38 94.36 180 bottom
R596  4.7K  [EIA-0402]  81.38 86.24 180 bottom
R597  4.7K/DNP  [EIA-0402]  81.38 86.24 0 top
R598  0E/DNP  [R0402]  78.89 93.78 0 bottom
R599  0E/DNP  [R0402]  81.38 94.36 180 top
R600  4.7K/DNP  [EIA-0402]  81.38 84.97 180 bottom
R601  4.7K  [EIA-0402]  81.38 84.97 0 top
R602  10K  [R0402]  65.98 89.13 0 top
R603  10K/DNP  [R0402]  61.66 78.46 270 top
R604  0/DNP  [EIA-0402]  60.5 78.46 270 top
R605  10K/DNP  [R0402]  65.98 89.13 180 bottom
R606  0  [EIA-0402]  60.5 78.46 270 bottom
R607  10K  [R0402]  77.69 100.46 90 bottom
R608  10K  [R0402]  81.12 100.46 90 bottom
R609  4.99K 1%  [R0402]  69.34 94.75 180 bottom
R610  22  [EIA-0402]  59.3 78.46 270 top
R611  0E  [R0402]  78.84 100.46 270 bottom
R612  0E  [R0402]  79.98 100.46 270 bottom
R613  100K  [R0402]  82.26 100.46 270 bottom
R614  0  [EIA-0402]  84.42 100.97 270 top
R615  330  [EIA-0402]  84.42 95.38 90 top
R616  0  [EIA-0402]  84.42 93.22 90 top
R617  330  [EIA-0402]  84.42 87.63 90 top
R618  10K  [EIA-0402]  102.71 73.43 0 bottom
R619  0  [EIA-0402]  51.4 83.62 180 top
R620  0  [EIA-0402]  49.24 83.62 0 top
R621  200K  [EIA-0402]  103.19 67.29 90 top
R622  4.7K  [EIA-0402]  104.24 61.42 270 bottom
R623  4.7K  [EIA-0402]  105.45 61.42 270 bottom
R624  4.7K  [EIA-0402]  104.18 64.9 0 bottom
R625  4.7K  [EIA-0402]  105.15 67.31 270 top
R626  0E  [R0402]  113.21 67.52 180 bottom
R627  0E  [R0402]  107.27 69.08 180 top
R628  0E  [R0402]  113.15 70.29 180 bottom
R726  0E/DNP  [R0402]  81.31 90.93 0 top
R727  0E/DNP  [R0402]  79.3 90.88 0 bottom
RV1  VARISTOR  [1206]  111.76 94.11 90 top
S1  1825027-2  [TE_1825027-2]  71.74 107.36 180 top
SW1  Tact Switch  [SW-TLS3305]  11.56 25.02 0 top
TP2  TestPad_DNP  [SMD20-A]  99.41 14.99 180 top
TP3  TestPad_DNP  [SMD20-A]  6.27 35.13 180 top
TP24  T POINT R  [TP_40C]  21.81 16.01 270 bottom
TP25  TestPad_DNP  [SMD20-A]  53.65 68.95 0 bottom
TP26  TestPad_DNP  [SMD20-A]  53.98 70.2 0 bottom
TP27  TestPad_DNP  [SMD20-A]  54 71.21 0 bottom
TP28  TestPad_DNP  [SMD20-A]  54.99 71.23 0 bottom
TP29  TestPad_DNP  [SMD20-A]  55.02 70.16 0 bottom
TP30  TestPad_DNP  [SMD20-A]  60.47 71.71 0 bottom
TP31  TestPad_DNP  [SMD20-A]  61.99 70.21 0 bottom
TP32  TestPad_DNP  [SMD20-A]  66.98 64.19 270 bottom
TP33  TestPad_DNP  [SMD20-A]  67 65.23 270 bottom
TP34  TestPad_DNP  [SMD20-A]  68.5 68.81 270 bottom
TP35  TestPad_DNP  [SMD20-A]  69.04 66.17 270 bottom
TP36  TestPad_DNP  [SMD20-A]  72.09 68.71 270 bottom
TP37  TestPad_DNP  [SMD20-A]  71.04 65.64 270 bottom
TP38  TestPad_DNP  [SMD20-A]  90.85 66.55 0 bottom
TP39  TestPad_DNP  [SMD20-A]  90.85 65.75 0 bottom
TP40  TestPad_DNP  [SMD20-A]  90.85 64.95 0 bottom
TP41  TestPad_DNP  [SMD20-A]  90.86 62.13 0 bottom
TP42  TestPad_DNP  [SMD20-A]  90.86 61.33 0 bottom
TP43  TestPad_DNP  [SMD20-A]  90.87 63.96 0 bottom
TP44  TestPad_DNP  [SMD20-A]  90.87 63.16 0 bottom
TP45  TestPad_DNP  [SMD20-A]  93.99 60.81 90 bottom
TP46  TestPad_DNP  [SMD20-A]  93.19 65.52 90 bottom
TP51  TestPad_DNP  [SMD20-A]  54.32 67.59 90 bottom
TP52  TestPad_DNP  [SMD20-A]  82.75 90.93 0 top
TP53  TestPad_DNP  [SMD20-A]  80.98 90.88 180 bottom
U1  -  [CNF7130-1000BG772-G]  56.49 58.71 180 top
U3  AD9363ABCZ  [BGA_AD9362BBCZ]  90.83 64.77 180 top
U4  TPS54519  [TQFN-16]  81.74 13.02 270 top
U5  SN74LVC1G08DCKR  [SC70_5P]  8.3 35.77 0 top
U6  74LVC1G17SE-7  [SOT-353]  8.17 35.77 270 bottom
U7  TPS53353DQPT  [SON50P500X600X150-23N]  29.17 7.31 180 top
U8  LM73606RNPR  [LM73606]  95.47 19.31 0 top
U10  MCP1316  [SOT-23-5]  23.46 20.07 90 top
U11  DDR3_128/256Mb*16  [FBGA96_DDR3]  33.27 29.93 0 top
U12  Oscillator 50Mhz  [OSC-250X200X55]  35 77.79 0 top
U13  PI6C557-03BLE/5V41235PGGI8  [TSSOP16]  20.84 51.9 0 top
U14  TPS54319  [TQFN-16]  12.91 48.68 90 top
U15  DDR3_128/256Mb*16  [FBGA96_DDR3]  45.97 29.93 0 top
U16  74LVC1G08SE-7  [SOT-353]  18.76 17.11 0 top
U17  74LVC1G08SE-7  [SOT-353]  18.76 23.44 0 top
U18  74LVC1G17SE-7  [SOT-353]  18.76 13.11 180 top
U19  AT24C64D-XHM-B  [TSSOP8]  107.73 18.58 180 top
U20  TCA9554DBQR  [SSOP16-0635-5X4MM]  100.6 25.89 90 top
U22  74ALVT16373DGG  [TSSOP48]  10.93 72.13 90 top
U23  DDR3_128/256Mb*16  [FBGA96_DDR3]  58.67 29.93 0 top
U24  DMC2038LVT-7  [TSOT-26-6]  9 82.26 0 top
U25  TXB0101DBVR  [SOT-23-6]  101.9 72.88 0 top
U26  FT230XQ  [QFN-16]  10.51 29.24 180 bottom
U27  SN74CBTD3861PWR  [TSSOP-24]  21.65 66.9 90 top
U28  TMP464AIRGTR  [QFN50P300X300X100-17N]  21.3 36.71 270 top
U29  EMMC16G-M525-B53  [WFBGA_EMMC153]  23.56 83.23 90 top
U30  DDR3_128/256Mb*16  [FBGA96_DDR3]  71.37 29.93 0 top
U31  ADUM1201ARZ/ISO7221  [SO8]  12.21 23.19 90 bottom
U32  74LVC1G17SE-7  [SOT-353]  9.71 16.46 0 top
U33  74LVC1G17SE-7  [SOT-353]  12.72 16.52 0 top
U34  74LVC1G08SE-7  [SOT-353]  15.73 16.57 0 top
U35  DDR3_128/256Mb*16  [FBGA96_DDR3]  83.91 44.89 0 top
U38  OCXO-30.72Mhz/U7769LF  [RMO1490A]  57.54 89 270 top
U39  TCM1-63AX+  [TCM1-63AX]  107.54 52.33 270 top
U40  TCM1-63AX+  [TCM1-63AX]  107.77 79 270 top
U42  TPS51200DRCT  [IC_TPS51200]  90.06 29.49 90 top
U43  TCM1-63AX+  [TCM1-63AX]  103.6 35.56 270 top
U44  DAC8571IDGKR  [MSOP-8]  50.26 87.68 180 top
U57  74LVC1G17SE-7  [SOT-353]  21.56 28.07 270 top
U63  AP3418KTR-G1  [SOT-23-5]  10.21 40.28 180 bottom
U64  JS28F512M29EWH  [IC_JS28F512M29EWH]  16.88 72.13 180 bottom
U65  ADP1755ACPZ-R7  [IC_ADP1755ACPZ-R7]  80.74 74.17 180 bottom
U66  TCM1-63AX+  [TCM1-63AX]  94.27 81.89 0 top
U67  TCM1-63AX+  [TCM1-63AX]  97.2 44.66 180 top
U69  AP3418KTR-G1  [SOT-23-5]  20.16 6.61 270 top
U70  GVA-63+  [SOTFL150P409X160-4N]  106.1 88.13 0 top
U71  GVA-63+  [SOTFL150P409X160-4N]  106.55 42.95 0 top
U83  AP3418KTR-G1  [SOT-23-5]  62.69 101.34 180 top
U242  LP3943  [QFN50P410X410X80-25N]  71.34 7.75 180 top
U243  88E6341_QFN88  [QFN40P1000X1000X85-88N]  73.92 90.5 0 top
U245  AP3418KTR-G1  [SOT-23-5]  73.1 78.99 90 bottom
U246  LM25066  [QFN50P500X400X80-25N]  25.97 94.35 0 top
U250  CAT24C64WI-GT3  [SOIC127P600X175-8N_ON-SEMI]  80.11 103.13 270 top
U252  TPD4E05U06  [TI_TPD4E05U06DQAR]  98.57 89.56 90 top
U253  TPD4E05U06  [TI_TPD4E05U06DQAR]  102.61 89.56 90 top
U254  PCA9306DCTR  [SOP65P400X130-8N]  104.18 63.12 90 top
Y2  12MHZ  [OSC-250X200X55]  34.98 74.41 180 top
Y3  25MHz  [OSC-250X200X55]  20.82 44.29 180 top
Y4  25MHz  [OSC-250X200X55]  66.01 92.94 90 top
Z1  DIODE ZENER_0  [DIO_4P69_7P11X6P22_2P62]  35.65 88.72 270 top

## Library data of the parts
C1 C5 C6 C19 C31 = CAP_CER_0.1UF_10V_10%_X5R_0402
C3 C4 = CAP_CER_X2Y_0603_100pF_20%
